# Altium PCB PCB4.PcbDoc (part 7 of 12)
Units mil, origin at the board's own origin, x right, y up, seen from the top; angles counter-clockwise.
Board outline 9204.7 x 4350.39 mil, 4 copper layers (Top Layer, Layer 1, Layer 2, Bottom Layer), stack 23.756 mil thick; 1824 components, 1732 nets, 6090 pads, 1022 vias.
Unrouted connection lines stored in the file: 2463.
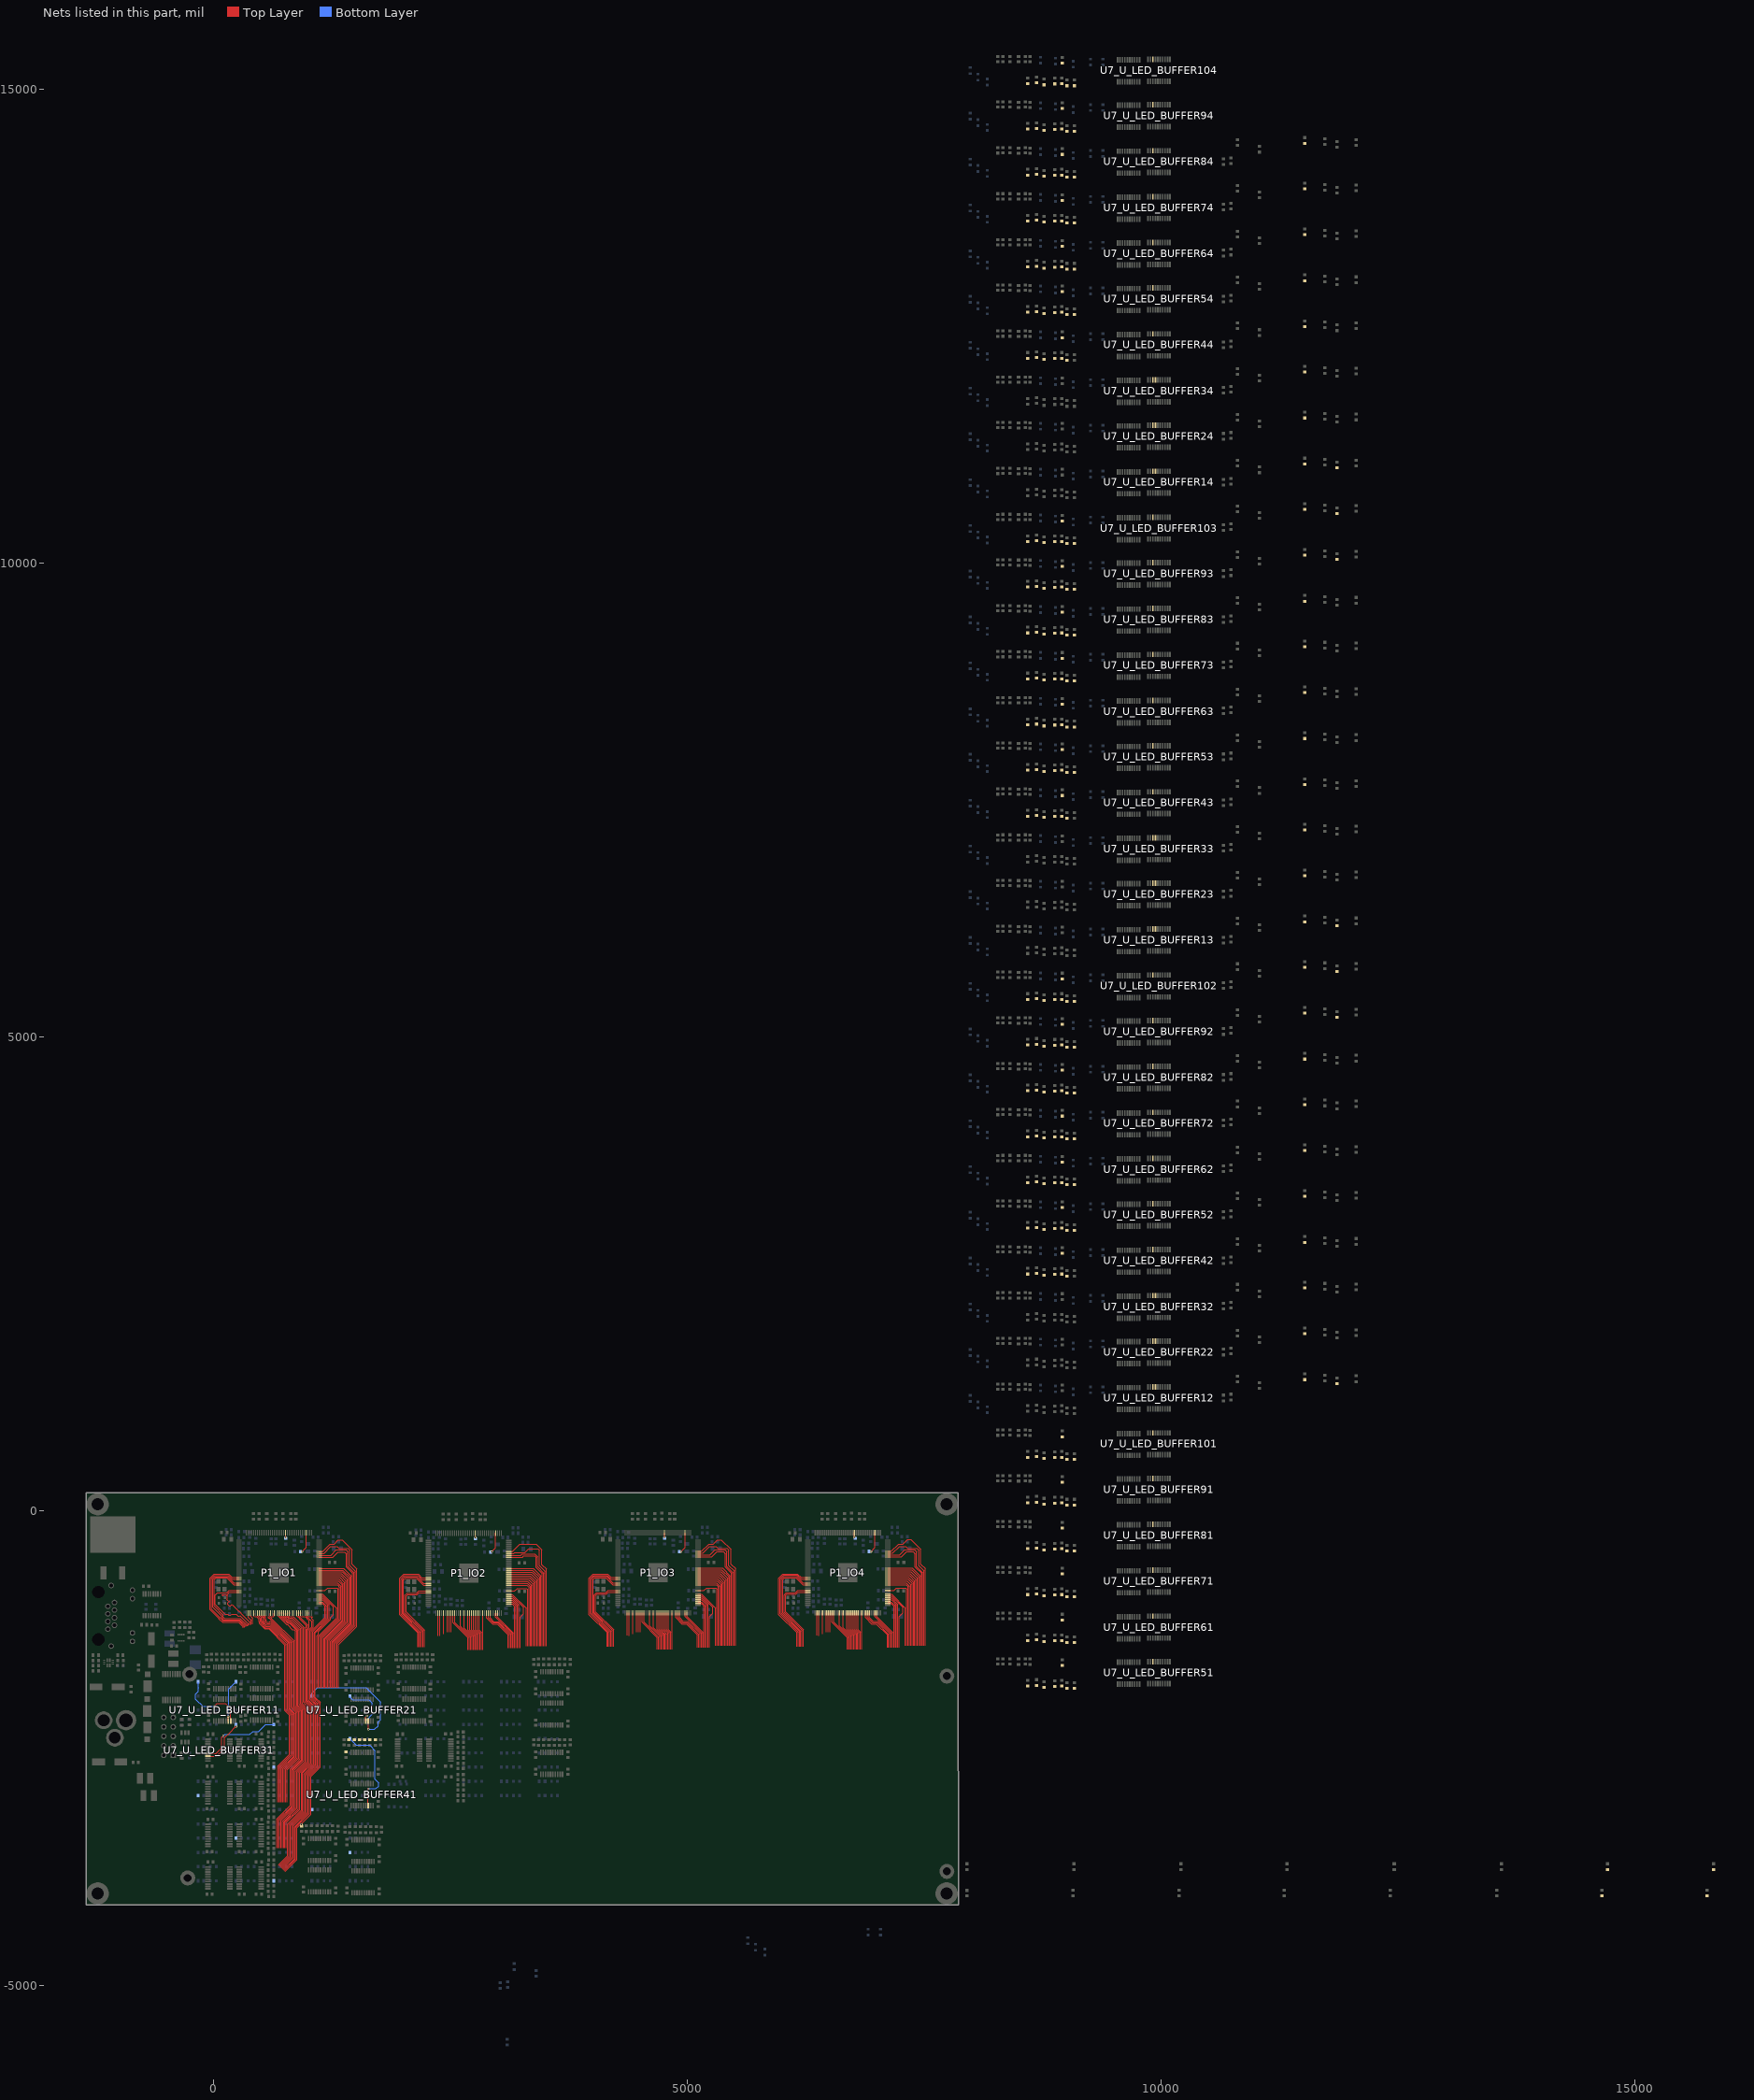
[diagram p9: the nets of this part, all layers, seen from the top]

## Via types
v1: diameter 24, hole 12, Top Layer to Bottom Layer, 1022 vias

## Nets (pads, with @x,y where several pads share a name; then routed paths per layer and width w, separated by ;. In a path a pad name is that pad's centre, name@x,y a point inside that pad or via, vN(x,y) a via of type N, cw(c..) or ccw(c..) an arc to the next point about the centre after c; other vN are vias at no path point) (continued)
GPIO_25_IO1: P1_IO1.100 R48_U_LED_BUFFER41.2 | length 1871.4
  Top Layer w7: P1_IO1.100@1116.22,-464.05 1242.23,-464.05 1297.05,-409.23 1399.23,-409.23 1418.41,-428.41 1418.41,-583.98 1484.42,-649.99 1484.42,-1202.15 1292.08,-1394.5 1292.08,-1860
GPIO_25_IO2: P1_IO2.100 R48_U_LED_BUFFER42.2 | length 1291
  Top Layer w7: P1_IO2.100@3117.32,-466.65 3243.33,-466.65 3259.28,-450.7 3340.45,-450.7 3359.09,-450.7 3390.5,-450.7 3419.51,-479.71 3419.51,-586.58 3485.52,-652.59 3485.52,-1422.6
GPIO_25_IO3: P1_IO3.100 R48_U_LED_BUFFER43.2 | length 1351.8
  Top Layer w7: P1_IO3.100@5114.22,-463.2 5240.23,-463.2 5295.05,-408.38 5397.23,-408.38 5416.41,-427.56 5416.41,-583.13 5482.42,-649.14 5482.42,-1419.15
GPIO_25_IO4: P1_IO4.100 R48_U_LED_BUFFER44.2 | length 1351.8
  Top Layer w7: P1_IO4.100@7117.22,-463.05 7243.23,-463.05 7298.05,-408.23 7400.23,-408.23 7419.41,-427.41 7419.41,-582.98 7485.42,-648.99 7485.42,-1419
GPIO_26_IO1: P1_IO1.101 R49_U_LED_BUFFER41.2 | length 1922
  Top Layer w7: P1_IO1.101@1116.22,-444.36 1167.62,-444.36 1238.68,-373.3 1304.19,-373.3 1324.94,-394.05 1423.65,-394.05 1440.73,-411.13 1440.73,-574.33 1498.42,-632.02 1498.42,-1207.95 1306.08,-1400.3 1306.08,-1860
GPIO_26_IO2: P1_IO2.101 R49_U_LED_BUFFER42.2 | length 1385.2
  Top Layer w7: P1_IO2.101@3117.32,-446.96 3168.72,-446.96 3181.21,-434.47 3288.22,-434.47 3326.04,-396.65 3424.75,-396.65 3441.83,-413.73 3441.83,-576.93 3499.52,-634.62 3499.52,-1422.6
GPIO_26_IO3: P1_IO3.101 R49_U_LED_BUFFER43.2 | length 1402.4
  Top Layer w7: P1_IO3.101@5114.22,-443.51 5165.62,-443.51 5236.68,-372.45 5302.19,-372.45 5322.94,-393.2 5421.65,-393.2 5438.73,-410.28 5438.73,-573.48 5496.42,-631.17 5496.42,-1419.15
GPIO_26_IO4: P1_IO4.101 R49_U_LED_BUFFER44.2 | length 1402.4
  Top Layer w7: P1_IO4.101@7117.22,-443.36 7168.62,-443.36 7239.68,-372.3 7305.19,-372.3 7325.94,-393.05 7424.65,-393.05 7441.73,-410.13 7441.73,-573.33 7499.42,-631.02 7499.42,-1419
GPIO_27_IO1: P1_IO1.102 R50_U_LED_BUFFER41.2 | length 1995.3
  Top Layer w7: P1_IO1.102@1116.22,-424.68 1153.45,-424.68 1231.03,-347.1 1274.47,-347.1 1318.37,-303.2 1362.65,-303.2 1464.96,-405.51 1464.96,-559.95 1512.42,-607.41 1512.42,-1213.75 1320.08,-1406.1 1320.08,-1860
GPIO_27_IO2: P1_IO2.102 R50_U_LED_BUFFER42.2 | length 1439.2
  Top Layer w7: P1_IO2.102@3117.32,-427.28 3154.55,-427.28 3232.13,-349.7 3407.65,-349.7 3466.06,-408.11 3466.06,-562.55 3513.52,-610.01 3513.52,-1422.6
GPIO_27_IO3: P1_IO3.102 R50_U_LED_BUFFER43.2 | length 1476.2
  Top Layer w7: P1_IO3.102@5114.22,-423.83 5151.45,-423.83 5229.03,-346.25 5272.47,-346.25 5317.15,-301.57 5359.88,-301.57 5462.96,-404.66 5462.96,-559.1 5510.42,-606.56 5510.42,-1419.15
GPIO_27_IO4: P1_IO4.102 R50_U_LED_BUFFER44.2 | length 1479.2
  Top Layer w7: P1_IO4.102@7117.22,-423.68 7154.45,-423.68 7232.03,-346.1 7275.47,-346.1 7323.67,-297.9 7336.78,-297.9 7336.88,-297.8 7355.52,-297.8 7355.62,-297.9 7359.36,-297.9 7465.96,-404.51 7465.96,-558.95 7513.42,-606.41 7513.42,-1419
GPIO_28_IO1: P1_IO1.99 R51_U_LED_BUFFER41.2 | length 1835.2
  Top Layer w7: P1_IO1.99@1116.22,-483.73 1260.68,-483.73 1314.47,-429.94 1383.26,-429.94 1404.41,-451.08 1404.41,-589.77 1470.42,-655.79 1470.42,-1196.35 1278.08,-1388.7 1278.08,-1860
GPIO_28_IO2: P1_IO2.99 R51_U_LED_BUFFER42.2 | length 1263.8
  Top Layer w7: P1_IO2.99@3117.32,-486.33 3261.78,-486.33 3275.7,-472.41 3392.41,-472.41 3405.51,-485.51 3405.51,-592.37 3471.52,-658.39 3471.52,-1422.6
GPIO_28_IO3: P1_IO3.99 R51_U_LED_BUFFER43.2 | length 1315.5
  Top Layer w7: P1_IO3.99@5114.22,-482.88 5258.68,-482.88 5312.47,-429.09 5381.26,-429.09 5402.41,-450.24 5402.41,-588.93 5468.42,-654.94 5468.42,-1419.15
GPIO_28_IO4: P1_IO4.99 R51_U_LED_BUFFER44.2 | length 1315.5
  Top Layer w7: P1_IO4.99@7117.22,-482.73 7261.68,-482.73 7315.47,-428.94 7384.26,-428.94 7405.41,-450.08 7405.41,-588.77 7471.42,-654.79 7471.42,-1419
GPIO_29_IO1: P1_IO1.91 R52_U_LED_BUFFER41.2 | length 1570.3
  Top Layer w7: P1_IO1.91@1116.22,-641.21 1116.42,-641.41 1359.72,-641.41 1428.34,-710.04 1428.34,-1178.93 1236,-1371.27 1236,-1860
GPIO_29_IO2: P1_IO2.91 R52_U_LED_BUFFER42.2 | length 1050.6
  Top Layer w7: P1_IO2.91@3117.32,-643.81 3117.52,-644.01 3360.82,-644.01 3429.44,-712.64 3429.44,-1422.6
GPIO_29_IO3: P1_IO3.91 R52_U_LED_BUFFER43.2 | length 1050.6
  Top Layer w7: P1_IO3.91@5114.22,-640.36 5114.42,-640.56 5357.72,-640.56 5426.34,-709.19 5426.34,-1419.15
GPIO_29_IO4: P1_IO4.91 R52_U_LED_BUFFER44.2 | length 1050.6
  Top Layer w7: P1_IO4.91@7117.22,-640.21 7117.42,-640.41 7360.72,-640.41 7429.34,-709.04 7429.34,-1419
GPIO_30_IO1: P1_IO1.92 R53_U_LED_BUFFER41.2 | length 1600.6
  Top Layer w7: P1_IO1.92@1116.22,-621.53 1116.42,-621.72 1367.87,-621.72 1442.42,-696.27 1442.42,-1184.76 1250.08,-1377.1 1250.08,-1860
GPIO_30_IO2: P1_IO2.92 R53_U_LED_BUFFER42.2 | length 1080.9
  Top Layer w7: P1_IO2.92@3117.32,-624.13 3117.52,-624.32 3368.97,-624.32 3443.52,-698.87 3443.52,-1422.6
GPIO_30_IO3: P1_IO3.92 R53_U_LED_BUFFER43.2 | length 1080.9
  Top Layer w7: P1_IO3.92@5114.22,-620.68 5114.42,-620.87 5365.87,-620.87 5440.42,-695.42 5440.42,-1419.15
GPIO_30_IO4: P1_IO4.92 R53_U_LED_BUFFER44.2 | length 1080.9
  Top Layer w7: P1_IO4.92@7117.22,-620.53 7117.42,-620.72 7368.87,-620.72 7443.42,-695.27 7443.42,-1419
GPIO_31_IO1: P1_IO1.93 R54_U_LED_BUFFER41.2 | length 1630.8
  Top Layer w7: P1_IO1.93@1116.22,-601.84 1116.42,-602.04 1376.02,-602.04 1456.42,-682.43 1456.42,-1190.56 1264.08,-1382.9 1264.08,-1860
GPIO_31_IO2: P1_IO2.93 R54_U_LED_BUFFER42.2 | length 1111.1
  Top Layer w7: P1_IO2.93@3117.32,-604.44 3117.52,-604.64 3377.12,-604.64 3457.52,-685.03 3457.52,-1422.6
GPIO_31_IO3: P1_IO3.93 R54_U_LED_BUFFER43.2 | length 1111.1
  Top Layer w7: P1_IO3.93@5114.22,-600.99 5114.42,-601.19 5374.02,-601.19 5454.42,-681.58 5454.42,-1419.15
GPIO_31_IO4: P1_IO4.93 R54_U_LED_BUFFER44.2 | length 1111.1
  Top Layer w7: P1_IO4.93@7117.22,-600.84 7117.42,-601.04 7377.02,-601.04 7457.42,-681.43 7457.42,-1419
GPIO_32_IO1: P1_IO1.90 R47_U_LED_BUFFER51.2 | length 1540
  Top Layer w7: P1_IO1.90@1116.22,-660.9 1116.42,-661.09 1351.56,-661.09 1414.34,-723.87 1414.34,-1173.13 1222,-1365.47 1222,-1860
GPIO_32_IO2: P1_IO2.90 R47_U_LED_BUFFER52.2 | length 1020.3
  Top Layer w7: P1_IO2.90@3117.32,-663.5 3117.52,-663.69 3352.66,-663.69 3415.44,-726.47 3415.44,-1422.6
GPIO_32_IO3: P1_IO3.90 R47_U_LED_BUFFER53.2 | length 1020.3
  Top Layer w7: P1_IO3.90@5114.22,-660.05 5114.42,-660.24 5349.56,-660.24 5412.34,-723.02 5412.34,-1419.15
GPIO_32_IO4: P1_IO4.90 R47_U_LED_BUFFER54.2 | length 1020.3
  Top Layer w7: P1_IO4.90@7117.22,-659.9 7117.42,-660.09 7352.56,-660.09 7415.34,-722.87 7415.34,-1419
GPIO_33_IO1: P1_IO1.87 R48_U_LED_BUFFER51.2 | length 1449.2
  Top Layer w7: P1_IO1.87@1116.22,-719.95 1116.42,-720.15 1327.1,-720.15 1372.34,-765.39 1372.34,-1155.73 1180,-1348.07 1180,-1860
GPIO_33_IO2: P1_IO2.87 R48_U_LED_BUFFER52.2 | length 929.6
  Top Layer w7: P1_IO2.87@3117.32,-722.55 3117.52,-722.75 3328.2,-722.75 3373.44,-767.99 3373.44,-1422.6
GPIO_33_IO3: P1_IO3.87 R48_U_LED_BUFFER53.2 | length 929.6
  Top Layer w7: P1_IO3.87@5114.22,-719.1 5114.42,-719.3 5325.1,-719.3 5370.34,-764.54 5370.34,-1419.15
GPIO_33_IO4: P1_IO4.87 R48_U_LED_BUFFER54.2 | length 929.6
  Top Layer w7: P1_IO4.87@7117.22,-718.95 7117.42,-719.15 7328.1,-719.15 7373.34,-764.39 7373.34,-1419
GPIO_34_IO1: P1_IO1.88 R49_U_LED_BUFFER51.2 | length 1479.5
  Top Layer w7: P1_IO1.88@1116.22,-700.27 1116.42,-700.46 1335.25,-700.46 1386.34,-751.55 1386.34,-1161.53 1194,-1353.87 1194,-1860
GPIO_34_IO2: P1_IO2.88 R49_U_LED_BUFFER52.2 | length 959.8
  Top Layer w7: P1_IO2.88@3117.32,-702.87 3117.52,-703.06 3336.35,-703.06 3387.44,-754.15 3387.44,-1422.6
GPIO_34_IO3: P1_IO3.88 R49_U_LED_BUFFER53.2 | length 959.8
  Top Layer w7: P1_IO3.88@5114.22,-699.42 5114.42,-699.61 5333.25,-699.61 5384.34,-750.7 5384.34,-1419.15
GPIO_34_IO4: P1_IO4.88 R49_U_LED_BUFFER54.2 | length 959.8
  Top Layer w7: P1_IO4.88@7117.22,-699.27 7117.42,-699.46 7336.25,-699.46 7387.34,-750.55 7387.34,-1419
GPIO_35_IO1: P1_IO1.89 R50_U_LED_BUFFER51.2 | length 1509.7
  Top Layer w7: P1_IO1.89@1116.22,-680.58 1116.42,-680.78 1343.41,-680.78 1400.34,-737.71 1400.34,-1167.33 1208,-1359.67 1208,-1860
GPIO_35_IO2: P1_IO2.89 R50_U_LED_BUFFER52.2 | length 990.1
  Top Layer w7: P1_IO2.89@3117.32,-683.18 3117.52,-683.38 3344.51,-683.38 3401.44,-740.31 3401.44,-1422.6
GPIO_35_IO3: P1_IO3.89 R50_U_LED_BUFFER53.2 | length 990.1
  Top Layer w7: P1_IO3.89@5114.22,-679.73 5114.42,-679.93 5341.41,-679.93 5398.34,-736.86 5398.34,-1419.15
GPIO_35_IO4: P1_IO4.89 R50_U_LED_BUFFER54.2 | length 990.1
  Top Layer w7: P1_IO4.89@7117.22,-679.58 7117.42,-679.78 7344.41,-679.78 7401.34,-736.71 7401.34,-1419
GPIO_36_IO1: P1_IO1.86 R51_U_LED_BUFFER51.2 | length 1419
  Top Layer w7: P1_IO1.86@1116.22,-739.64 1116.42,-739.83 1318.95,-739.83 1358.34,-779.23 1358.34,-1149.93 1166,-1342.28 1166,-1860
GPIO_36_IO2: P1_IO2.86 R51_U_LED_BUFFER52.2 | length 899.3
  Top Layer w7: P1_IO2.86@3117.32,-742.24 3117.52,-742.43 3320.05,-742.43 3359.44,-781.83 3359.44,-1422.6
GPIO_36_IO3: P1_IO3.86 R51_U_LED_BUFFER53.2 | length 899.3
  Top Layer w7: P1_IO3.86@5114.22,-738.79 5114.42,-738.98 5316.95,-738.98 5356.34,-778.38 5356.34,-1419.15
GPIO_36_IO4: P1_IO4.86 R51_U_LED_BUFFER54.2 | length 899.3
  Top Layer w7: P1_IO4.86@7117.22,-738.64 7117.42,-738.83 7319.95,-738.83 7359.34,-778.23 7359.34,-1419
GPIO_37_IO1: P1_IO1.85 R52_U_LED_BUFFER51.2 | length 1388.5
  Top Layer w7: P1_IO1.85@1116.22,-759.32 1116.42,-759.52 1310.79,-759.52 1343.97,-792.69 1343.97,-1143.98 1151.63,-1336.32 1151.63,-1860
GPIO_37_IO2: P1_IO2.85 R52_U_LED_BUFFER52.2 | length 868.9
  Top Layer w7: P1_IO2.85@3117.32,-761.92 3117.52,-762.12 3311.89,-762.12 3345.07,-795.29 3345.07,-1422.6
GPIO_37_IO3: P1_IO3.85 R52_U_LED_BUFFER53.2 | length 868.9
  Top Layer w7: P1_IO3.85@5114.22,-758.47 5114.42,-758.67 5308.79,-758.67 5341.97,-791.84 5341.97,-1419.15
GPIO_37_IO4: P1_IO4.85 R52_U_LED_BUFFER54.2 | length 868.9
  Top Layer w7: P1_IO4.85@7117.22,-758.32 7117.42,-758.52 7311.79,-758.52 7344.97,-791.69 7344.97,-1419
GPIO_38_IO1: P1_IO1.25 R53_U_LED_BUFFER51.2 | length 1034.1
  Top Layer w7: P1_IO1.25@270.71,-779.01 218.82,-779.01 144.68,-704.87 27.72,-704.87 7.72,-724.86 7.72,-998.6 105.25,-1096.13 102.8,-1098.58 102.8,-1117.22 115.98,-1130.4 282.62,-1130.4 357.72,-1205.5 357.72,-1212.36
GPIO_38_IO2: P1_IO2.25 R53_U_LED_BUFFER52.2 | length 1085.8
  Top Layer w7: 2198.77,-1432.6 2198.77,-1266.85 2008.82,-1076.91 2008.82,-727.46 2028.82,-707.47 2145.78,-707.47 2219.92,-781.61 P1_IO2.25@2271.81,-781.61
GPIO_38_IO3: P1_IO3.25 R53_U_LED_BUFFER53.2 | length 1085.8
  Top Layer w7: 4195.67,-1429.15 4195.67,-1263.4 4005.72,-1073.46 4005.72,-724.01 4025.72,-704.02 4142.68,-704.02 4216.82,-778.16 P1_IO3.25@4268.71,-778.16
GPIO_38_IO4: P1_IO4.25 R53_U_LED_BUFFER54.2 | length 1085.8
  Top Layer w7: 6198.67,-1429 6198.67,-1263.25 6008.72,-1073.31 6008.72,-723.86 6028.72,-703.87 6145.68,-703.87 6219.82,-778.01 P1_IO4.25@6271.71,-778.01
GPIO_39_IO1: P1_IO1.21 R54_U_LED_BUFFER51.2 | length 1103.8
  Top Layer w7: P1_IO1.21@270.71,-700.27 199.48,-700.27 162.08,-662.87 10.32,-662.87 -34.28,-707.47 -34.28,-1015.06 -34.28,-1037.48 60.8,-1132.55 60.8,-1134.62 98.58,-1172.4 265.22,-1172.4 315.72,-1222.89 315.72,-1229.75
GPIO_39_IO2: P1_IO2.21 R54_U_LED_BUFFER52.2 | length 1140.2
  Top Layer w7: 2156.77,-1432.6 2156.77,-1284.25 1966.82,-1094.3 1966.82,-710.07 2011.42,-665.47 2163.18,-665.47 2200.58,-702.87 P1_IO2.21@2271.81,-702.87
GPIO_39_IO3: P1_IO3.21 R54_U_LED_BUFFER53.2 | length 1140.2
  Top Layer w7: 4153.67,-1429.15 4153.67,-1280.8 3963.72,-1090.85 3963.72,-706.62 4008.32,-662.02 4160.08,-662.02 4197.48,-699.42 P1_IO3.21@4268.71,-699.42
GPIO_39_IO4: P1_IO4.21 R54_U_LED_BUFFER54.2 | length 1140.2
  Top Layer w7: 6156.67,-1429 6156.67,-1280.65 5966.72,-1090.7 5966.72,-706.47 6011.32,-661.87 6163.08,-661.87 6200.48,-699.27 P1_IO4.21@6271.71,-699.27
GPIO_40_IO1: P1_IO1.22 R47_U_LED_BUFFER61.2 | length 1077.2
  Top Layer w7: P1_IO1.22@270.71,-719.95 199.36,-719.95 156.28,-676.87 16.12,-676.87 -20.28,-713.26 -20.28,-1031.68 74.8,-1126.75 74.8,-1128.82 104.38,-1158.4 271.02,-1158.4 329.72,-1217.1 329.72,-1223.96
GPIO_40_IO2: P1_IO2.22 R47_U_LED_BUFFER62.2 | length 1119.3
  Top Layer w7: 2170.77,-1432.6 2170.77,-1278.45 1980.82,-1088.5 1980.82,-715.86 2017.22,-679.47 2157.38,-679.47 2200.46,-722.55 P1_IO2.22@2271.81,-722.55
GPIO_40_IO3: P1_IO3.22 R47_U_LED_BUFFER63.2 | length 1119.3
  Top Layer w7: 4167.67,-1429.15 4167.67,-1275 3977.72,-1085.05 3977.72,-712.42 4014.12,-676.02 4154.28,-676.02 4197.36,-719.1 P1_IO3.22@4268.71,-719.1
GPIO_40_IO4: P1_IO4.22 R47_U_LED_BUFFER64.2 | length 1119.3
  Top Layer w7: 6170.67,-1429 6170.67,-1274.85 5980.72,-1084.9 5980.72,-712.26 6017.12,-675.87 6157.28,-675.87 6200.36,-718.95 P1_IO4.22@6271.71,-718.95
GPIO_41_IO1: P1_IO1.24 R48_U_LED_BUFFER61.2 | length 1058.7
  Top Layer w7: P1_IO1.24@270.71,-759.32 218.93,-759.32 150.48,-690.87 21.92,-690.87 -6.28,-719.06 -6.28,-1014.27 88.8,-1109.34 88.8,-1123.02 110.18,-1144.4 276.82,-1144.4 343.72,-1211.3 343.72,-1218.16
GPIO_41_IO2: P1_IO2.24 R48_U_LED_BUFFER62.2 | length 1106.6
  Top Layer w7: 2184.77,-1432.6 2184.77,-1272.65 1994.82,-1082.71 1994.82,-721.66 2023.02,-693.47 2151.58,-693.47 2220.03,-761.92 P1_IO2.24@2271.81,-761.92
GPIO_41_IO3: P1_IO3.24 R48_U_LED_BUFFER63.2 | length 1106.6
  Top Layer w7: 4181.67,-1429.15 4181.67,-1269.2 3991.72,-1079.26 3991.72,-718.21 4019.92,-690.02 4148.48,-690.02 4216.93,-758.47 P1_IO3.24@4268.71,-758.47
GPIO_41_IO4: P1_IO4.24 R48_U_LED_BUFFER64.2 | length 1106.6
  Top Layer w7: 6184.67,-1429 6184.67,-1269.05 5994.72,-1079.11 5994.72,-718.06 6022.92,-689.87 6151.48,-689.87 6219.93,-758.32 P1_IO4.24@6271.71,-758.32
GPIO_42_IO1: P1_IO1.39 R49_U_LED_BUFFER61.2 | length 127
  Top Layer w7: P1_IO1.39@388.35,-1073.81 388.35,-1101.94 391.63,-1105.22 391.63,-1107.2 397.78,-1113.35 399.75,-1113.35 413.72,-1127.31 413.72,-1189.16
GPIO_42_IO2: P1_IO2.39 R49_U_LED_BUFFER62.2 | length 239.5
  Top Layer w7: 2389.45,-1315.89 P1_IO2.39@2389.45,-1076.41
GPIO_42_IO3: P1_IO3.39 R49_U_LED_BUFFER63.2 | length 239.5
  Top Layer w7: 4386.35,-1312.44 P1_IO3.39@4386.35,-1072.96
GPIO_42_IO4: P1_IO4.39 R49_U_LED_BUFFER64.2 | length 239.5
  Top Layer w7: 6389.35,-1312.29 P1_IO4.39@6389.35,-1072.81
GPIO_43_IO1: P1_IO1.28 R50_U_LED_BUFFER61.2 | length 832.6
  Top Layer w7: P1_IO1.28@270.71,-838.06 166.35,-838.06 142.78,-861.63 45.29,-861.63 21.72,-885.2 21.72,-982.93 124.19,-1085.4 152.98,-1085.4 164.88,-1097.3 183.52,-1097.3 195.42,-1085.4 246.2,-1085.4 246.2,-1091.92 259.38,-1105.1 278.02,-1105.1 280.76,-1102.36 371.72,-1193.32 371.72,-1206.56
GPIO_43_IO2: P1_IO2.28 R50_U_LED_BUFFER62.2 | length 892
  Top Layer w7: 2212.77,-1432.6 2212.77,-1261.05 2022.82,-1071.11 2022.82,-887.8 2046.39,-864.23 2143.88,-864.23 2167.45,-840.66 P1_IO2.28@2271.81,-840.66
GPIO_43_IO3: P1_IO3.28 R50_U_LED_BUFFER63.2 | length 892
  Top Layer w7: 4209.67,-1429.15 4209.67,-1257.6 4019.72,-1067.66 4019.72,-884.35 4043.29,-860.78 4140.78,-860.78 4164.35,-837.21 P1_IO3.28@4268.71,-837.21
GPIO_43_IO4: P1_IO4.28 R50_U_LED_BUFFER64.2 | length 892
  Top Layer w7: 6212.67,-1429 6212.67,-1257.45 6022.72,-1067.51 6022.72,-884.2 6046.29,-860.63 6143.78,-860.63 6167.35,-837.06 P1_IO4.28@6271.71,-837.06
GPIO_44_IO1: P1_IO1.29 R51_U_LED_BUFFER61.2 | length 716.7
  Top Layer w7: P1_IO1.29@270.71,-857.75 166.46,-857.75 146.08,-878.13 90.25,-878.13 100.92,-888.8 104.87,-884.85 109.83,-884.85 111.98,-882.7 130.62,-882.7 132.77,-884.85 141.12,-884.85 147.27,-891 147.27,-931.2 145.29,-933.18 165.4,-953.28 152.7,-965.98 152.7,-984.62 165.88,-997.8 184.52,-997.8 197.22,-985.1 272.21,-1060.1 278.02,-1060.1 291.2,-1073.28 291.2,-1079.08 385.72,-1173.6 385.72,-1200.76
GPIO_44_IO2: P1_IO2.29 R51_U_LED_BUFFER62.2 | length 866.4
  Top Layer w7: 2226.77,-1432.6 2226.77,-1255.25 2036.82,-1065.31 2036.82,-893.6 2049.69,-880.73 2147.18,-880.73 2167.56,-860.35 P1_IO2.29@2271.81,-860.35
GPIO_44_IO3: P1_IO3.29 R51_U_LED_BUFFER63.2 | length 866.4
  Top Layer w7: 4223.67,-1429.15 4223.67,-1251.8 4033.72,-1061.86 4033.72,-890.15 4046.59,-877.28 4144.08,-877.28 4164.46,-856.9 P1_IO3.29@4268.71,-856.9
GPIO_44_IO4: P1_IO4.29 R51_U_LED_BUFFER64.2 | length 866.4
  Top Layer w7: 6226.67,-1429 6226.67,-1251.65 6036.72,-1061.71 6036.72,-890 6049.59,-877.13 6147.08,-877.13 6167.46,-856.75 P1_IO4.29@6271.71,-856.75
GPIO_45_IO1: P1_IO1.38 R52_U_LED_BUFFER61.2 | length 134
  Top Layer w7: P1_IO1.38@368.66,-1073.81 368.66,-1122.78 399.72,-1153.83 399.72,-1194.96
GPIO_45_IO2: P1_IO2.38 R52_U_LED_BUFFER62.2 | length 237.5
  Top Layer w7: 2369.76,-1313.93 P1_IO2.38@2369.76,-1076.41
GPIO_45_IO3: P1_IO3.38 R52_U_LED_BUFFER63.2 | length 237.5
  Top Layer w7: 4366.66,-1310.49 P1_IO3.38@4366.66,-1072.96
GPIO_45_IO4: P1_IO4.38 R52_U_LED_BUFFER64.2 | length 237.5
  Top Layer w7: 6369.66,-1310.33 P1_IO4.38@6369.66,-1072.81
GPIO_46_IO1: P1_IO1.45 R53_U_LED_BUFFER61.2 | length 2214.2
  Top Layer w7: P1_IO1.45@506.46,-1073.81 506.46,-1104.04 521.11,-1118.69 521.11,-1118.79 523.51,-1121.2 523.51,-1150.06 529.5,-1156.05 529.5,-1170.92 559.08,-1200.5 600.92,-1200.5 601.92,-1199.5 796.57,-1394.14 796.57,-2087.17 845.45,-2136.05 845.45,-2583.95 722,-2707.4 722,-3070
GPIO_46_IO2: P1_IO2.45 R53_U_LED_BUFFER62.2 | length 200.6
  Top Layer w7: 2507.56,-1276.97 P1_IO2.45@2507.56,-1076.41
GPIO_46_IO3: P1_IO3.45 R53_U_LED_BUFFER63.2 | length 200.6
  Top Layer w7: 4504.46,-1273.52 P1_IO3.45@4504.46,-1072.96
GPIO_46_IO4: P1_IO4.45 R53_U_LED_BUFFER64.2 | length 200.6
  Top Layer w7: 6507.46,-1273.37 P1_IO4.45@6507.46,-1072.81
GPIO_47_IO1: P1_IO1.41 R54_U_LED_BUFFER61.2 | length 2239.9
  Top Layer w7: P1_IO1.41@427.72,-1073.81 427.72,-1084.69 431,-1087.97 431,-1107.2 437.15,-1113.35 456.37,-1113.35 479.11,-1136.08 479.11,-1136.19 481.51,-1138.6 481.51,-1167.46 487.5,-1173.44 487.5,-1188.31 541.68,-1242.5 585.52,-1242.5 754.57,-1411.54 754.57,-2104.56 803.45,-2153.45 803.45,-2566.55 680,-2690 680,-3070
GPIO_47_IO2: P1_IO2.41 R54_U_LED_BUFFER62.2 | length 219.9
  Top Layer w7: 2428.82,-1296.32 P1_IO2.41@2428.82,-1076.41
GPIO_47_IO3: P1_IO3.41 R54_U_LED_BUFFER63.2 | length 219.9
  Top Layer w7: 4425.72,-1292.87 P1_IO3.41@4425.72,-1072.96
GPIO_47_IO4: P1_IO4.41 R54_U_LED_BUFFER64.2 | length 219.9
  Top Layer w7: 6428.72,-1292.72 P1_IO4.41@6428.72,-1072.81
GPIO_48_IO1: P1_IO1.43 R47_U_LED_BUFFER71.2 | length 2218.1
  Top Layer w7: P1_IO1.43@467.09,-1073.81 467.09,-1104.26 493.11,-1130.28 493.11,-1130.39 495.51,-1132.8 495.51,-1161.66 501.5,-1167.64 501.5,-1182.51 547.48,-1228.5 591.32,-1228.5 768.57,-1405.74 768.57,-2098.77 817.45,-2147.65 817.45,-2572.35 694,-2695.8 694,-3070
GPIO_48_IO2: P1_IO2.43 R47_U_LED_BUFFER72.2 | length 200.3
  Top Layer w7: 2468.19,-1276.74 P1_IO2.43@2468.19,-1076.41
GPIO_48_IO3: P1_IO3.43 R47_U_LED_BUFFER73.2 | length 200.3
  Top Layer w7: 4465.09,-1273.29 P1_IO3.43@4465.09,-1072.96
GPIO_48_IO4: P1_IO4.43 R47_U_LED_BUFFER74.2 | length 200.3
  Top Layer w7: 6468.09,-1273.14 P1_IO4.43@6468.09,-1072.81
GPIO_49_IO1: P1_IO1.44 R48_U_LED_BUFFER71.2 | length 2215.8
  Top Layer w7: P1_IO1.44@486.77,-1073.81 486.77,-1104.15 507.11,-1124.48 507.11,-1124.59 509.51,-1127 509.51,-1155.86 515.5,-1161.85 515.5,-1176.72 553.28,-1214.5 597.12,-1214.5 782.57,-1399.94 782.57,-2092.97 831.45,-2141.85 831.45,-2578.15 708,-2701.6 708,-3070
GPIO_49_IO2: P1_IO2.44 R48_U_LED_BUFFER72.2 | length 200.4
  Top Layer w7: 2487.87,-1276.86 P1_IO2.44@2487.87,-1076.41
GPIO_49_IO3: P1_IO3.44 R48_U_LED_BUFFER73.2 | length 200.4
  Top Layer w7: 4484.77,-1273.41 P1_IO3.44@4484.77,-1072.96
GPIO_49_IO4: P1_IO4.44 R48_U_LED_BUFFER74.2 | length 200.4
  Top Layer w7: 6487.77,-1273.26 P1_IO4.44@6487.77,-1072.81
GPIO_50_IO1: P1_IO1.52 R49_U_LED_BUFFER71.2 | length 2197.8